# Allegro board FEMA_CBRS_1W_V0P4.brd (continued)
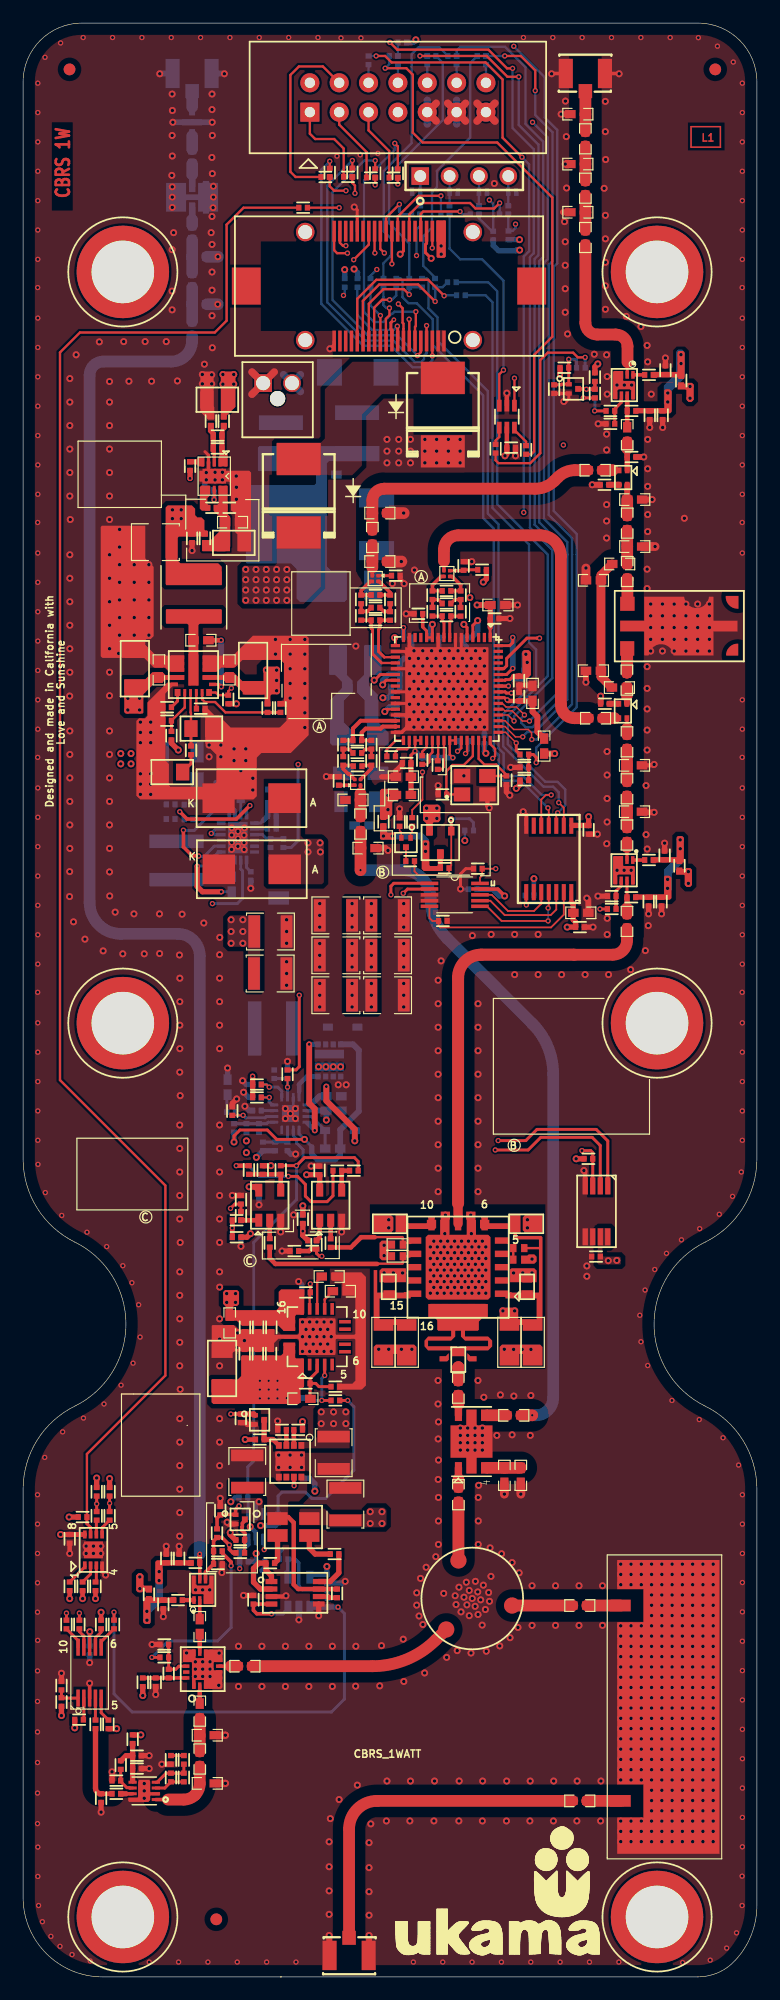
[diagram p0: board, top side]
## Routing (per net, layer and track width the routed paths; a pad name or vN(x,y) marks a point on that pad's centre or on a via; arc(x,y) is an arc through that point) (continued)
  TOP w0.457: v1(46.47,138.56) 46.47,138.56 R301.1
  SIG1 w0.203: v1(46.47,138.56) 45.67,139.36 45.67,151.78 44.88,152.58 40.85,152.58 40.35,153.07 v1(40.35,153.7)
  BOTTOM w0.203: v1(40.35,153.7) 40.68,153.37 R268.2 40.57,151 39.45,152.12 R364.1
TX_RFPAL_ENB: length 57
  TOP w0.152: R121.1 33.67,100.94 34.56,101.83 v1(34.56,104.22)
  TOP w0.254: J1.9 32.41,142.63 32.38,142.66 v1(32.38,142.78)
  SIG1 w0.203: v1(34.56,104.22) 31.55,104.22 28.07,107.7 28.07,138.47 v1(32.38,142.78)
  BOTTOM w0.203: R267.2 28.93,146.14 28.93,143.75 29.79,142.88 29.79,142.87 30.2,142.46 32.06,142.46 v1(32.38,142.78)
VDS_PA1: length 1
  TOP w0.254: 42.26,59 42.17,59.09 U70.1 41.32,59.09
  vias: v2(30.04,40.23) v2(30.04,39.22) v2(31.06,40.23) v2(31.06,39.22) v2(41.52,57.61) v2(42.54,57.61)
VGS_CARR_FIXED: length 2.3
  TOP w0.394: R275.1 v1(18.1,64.77) R271.2
  BOTTOM w0.394: R271.2 v1(18.1,64.77)
VGS_PEAK_FIXED: length 2.3
  TOP w0.457: R273.2 v1(24.2,64.5) 24.2,64.14 R276.1
  BOTTOM w0.127: v1(24.2,64.5) 24.21,64.5 R273.2
WP_CAL: length 139.7
  TOP w0.152: 5.84,38.23 U79.7
  TOP w0.203: R156.1 19.08,153.04 17.61,151.57 17.61,143.26 16.59,142.24 4.92,142.24 3.19,140.51 3.19,77.57 12.31,68.45 12.31,52.02 5.52,45.23 R67.2
  TOP w0.254: R67.2 5.52,39.2 5.84,38.88 U79.7
N23833: length 1.6
  TOP w0.26: C134.1 29.63,106.2 L8.1 R110.2
N23837: length 1.6
  TOP w0.26: R112.2 L12.1 28.2,106.2 28.54,105.87 C134.2
N23925: length 2.6
  TOP w0.26: C254.2 28.49,104.81 R112.1
  TOP w0.305: T2.4 28.21,104.06 28.12,104.06 27.7,104.48 R112.1
N23932: length 2.5
  TOP w0.26: C254.1 29.4,104.81 R110.1
  TOP w0.305: T2.3 29.52,103.9 30.14,104.52 R110.1
N24699: length 2.6
  TOP w0.305: C253.1 29.26,119.53 R114.1 29.25,119.91 30.04,120.7 T3.3
N24715: length 1.7
  TOP w0.305: R114.2 L23.1 29.79,118.1 C142.1
N24817: length 2.6
  TOP w0.305: T3.4 30.81,120.7 31.77,119.74 R115.1 31.76,119.53 C253.2
N24829: length 1.7
  TOP w0.305: R115.2 31.77,118.1 L24.1 31.21,118.1 C142.2
N25714: length 1.7
  TOP w0.26: C136.1 35.93,119.14 L25.1 R111.2
N25726: length 2.7
  TOP w0.26: C137.1 L25.2
  TOP w0.305: T1.3 36.16,121.14 35.42,120.4 L25.2
N25808: length 1.7
  TOP w0.26: 37.86,118.46 L26.1 37.36,119.14 C136.2
  TOP w0.305: 37.86,118.46 R113.2
N25852: length 2.6
  TOP w0.26: C137.2 L26.2
  TOP w0.305: T1.4 37.12,121.14 37.86,120.4 L26.2
N26945: length 1.4
  TOP w0.305: T2.1 C138.1
N27022: length 1.2
  TOP w0.254: C143.1 T3.1
N27102: length 2.5
  TOP w0.26: T1.1 38.08,121.64 C139.1 38.16,121.72 FB8.1
N28007: length 11
  TOP w0.203: U19.36 U19.35 v1(33.92,106.03) ; U19.42 U19.41 36.92,105.73 v1(37.19,105.46)
  TOP w0.254: C149.1 33.56,105.67 v1(33.92,106.03)
  TOP w0.457: 33.56,103.81 C148.1 ; 33.56,103.81 C149.1 ; 33.56,103.81 33.56,102.24 FB11.2
  BOTTOM w0.508: v1(33.92,106.03) 34.49,105.46 v1(37.19,105.46)
N30087: length 23.9
  TOP w0.203: U19.48 40.42,106.65 40.84,106.22 40.84,105.61 v1(40.64,105.4)
  TOP w0.254: U19.59 41.84,112.65 v1(42.37,113.18) ; U19.55 41.65,110.65 41.84,110.46 v1(41.9,110.46) ; v1(42.37,115.85) 42.37,115.41 42.12,115.15 U19.64
  TOP w0.381: v1(41.9,110.46) 41.99,110.37 C158.1
  TOP w0.508: C158.1 C157.1 44.09,109.44 44.5,109.02 44.5,107.7 FB12.2
  SIG1 w0.305: v1(40.64,105.4) 40.89,105.66 40.89,109.46 v1(41.9,110.46) 42.62,110.46 42.98,110.82 42.98,112.57 v1(42.37,113.18)
  BOTTOM w0.508: v1(42.37,113.18) v1(42.37,115.85)
N33948: length 2.3
  TOP w0.203: C129.1 32.22,105.99 32.43,106.19 33.22,106.19 33.42,106.39 U19.34
N33966: length 2.4
  TOP w0.203: U19.33 32.26,106.95 31.47,106.17 C129.2
N34028: length 2.7
  TOP w0.203: C130.1 34.95,104.88 35.16,105.09 35.16,105.66 35.42,105.93 U19.38
N34061: length 1.5
  TOP w0.203: C130.2 34.54,105.98 34.92,106.37 U19.37
N34239: length 2.9
  TOP w0.203: U19.40 36.42,104.66 36.2,104.45 C132.1
N34276: length 1.8
  TOP w0.203: U19.39 35.92,105.77 35.88,105.73 C132.2
N34612: length 2.1
  TOP w0.203: v1(37.6,106.02) 37.65,106.02 37.92,106.29 U19.43
  BOTTOM w0.203: v1(37.6,106.02) 37.79,106.22 C135.2
N34630: length 2.5
  TOP w0.203: v1(38.28,105.82) 38.38,105.82 38.42,105.85 U19.44
  BOTTOM w0.203: v1(38.28,105.82) 38.54,106.08 C135.1
N36138: length 1.7
  TOP w0.203: 32.92,115.8 U19.16 32.92,115.9
  TOP w0.254: v1(32.92,116.71) 32.92,115.9
  BOTTOM w0.457: v1(32.92,116.71) 32.92,116.71 R109.1
N112138: length 2.6
  BOTTOM w0.254: R12.2 R10.2 21.08,98.44 20.72,98.8 U13.13
N112335: length 17.9
  TOP w0.305: 13.9,99.19 v1(13.87,99.19) 13.87,97.74 14.63,96.98 15.16,96.98 v1(15.19,96.95)
  SIG1 w0.254: v1(16.29,98.91) 16.01,99.19 v1(13.87,99.19)
  BOTTOM w0.254: 16.47,100.83 14.8,99.16 13.9,99.16 v1(13.87,99.19) ; U13.5 16.68,99.3 v1(16.29,98.91) 16.48,98.91 16.59,98.8 U13.4 ; 18.01,101.24 18.01,101.58 C18.1 ; 18.01,101.24 17.83,101.07 U13.7 ; 18.01,101.24 18.05,101.2 18.08,101.2 18.33,100.95 U13.8 ; v1(15.19,96.95) 15.24,96.95 15.29,96.91 15.65,96.91 16.54,97.8 U13.2
  BOTTOM w0.305: 16.47,100.83 16.47,101.63 16.83,101.99 C18.1
N116565: length 1.2
  BOTTOM w0.254: R16.1 19.33,95.97 U13.17
N116705: length 1.5
  BOTTOM w0.254: C19.1 18.83,101.99 U13.9
N116894: length 1.2
  BOTTOM w0.457: R17.2 C28.1
N116898: length 2.5
  BOTTOM w0.254: 20.78,100.03 20.55,99.8 U13.11
  BOTTOM w0.457: 20.78,100.03 C20.1 21.16,100.86 21.17,100.88 R17.1
N120203: length 7.5
  TOP w0.457: v1(15.07,96.06) 15.07,94.32 15.52,93.86 v1(17.15,93.86)
  BOTTOM w0.254: C13.1 v1(17.15,93.86) ; U13.1 16.91,97.3 15.71,96.1 15.1,96.1 v1(15.07,96.06)
N123407: length 1.1
  BOTTOM w0.254: U13.12 21.14,99.3 R15.1
N123470: length 7.8
  TOP w0.305: v1(19.63,101.32) 18.46,100.15 14.19,100.15 v1(13.55,100.79)
  BOTTOM w0.254: U13.10 19.33,101.03 v1(19.63,101.32)
N170609: length 3.5
  TOP w0.152: R18.2 v1(22.88,76.96)
  BOTTOM w0.254: R19.1 R18.2 v1(22.88,76.96) U1.10
N170847: length 3.7
  BOTTOM w0.254: C43.1 D2.K 26.14,73.22 24.93,74.43 U1.15
N170891: length 9.4
  TOP w0.508: v1(24.76,80.66) 24.76,75.57 25.24,75.08 v1(25.24,73.22)
  BOTTOM w0.254: U1.16 24.63,73.83
  BOTTOM w0.381: v1(25.24,73.22) 24.63,73.83 24.63,73.83
  BOTTOM w0.457: v1(24.76,80.66) Q1.1
N170899: length 24.9
  TOP w0.254: v2(24.35,72.44) 21.95,72.44 21.14,73.25 18.76,73.25 18.25,72.75 v2(18.25,72.21)
  BOTTOM w0.254: 24.98,71.81 v2(24.35,72.44) 23.88,72.91 U1.1
  BOTTOM w0.457: C43.2 27.44,71.11 27.02,70.69 25.47,70.69 24.98,71.17 24.98,71.81 ; R30.2 v2(18.25,72.21)
  BOTTOM w0.508: Q1.4 28.55,80.66 29.05,80.16 29.05,74.88 27.44,73.27 C43.2
N171033: length 2.3
  TOP w0.152: R24.2 v1(21.3,76.07)
  BOTTOM w0.254: R24.2 v1(21.3,76.07) 21.3,75.68 21.56,75.43 U1.8
N171199: length 3.1
  BOTTOM w0.254: 23.88,76.57 U1.12
  BOTTOM w0.394: Q1.8 24.56,77.88 23.88,77.2 23.88,76.57
N171345: length 1.1
  BOTTOM w0.254: C49.1 20.61,74.93 U1.7
N171439: length 4.5
  TOP w0.152: C50.1 v1(19.04,74.52)
  BOTTOM w0.254: R28.1 18.65,74.52 v1(19.04,74.52) 19.25,74.31 20.94,74.31 21.05,74.43 U1.6
N171447: length 3.5
  BOTTOM w0.254: R30.1 R29.2 C51.2 21.08,73.81 21.2,73.93 U1.5
N171517: length 3.2
  BOTTOM w0.254: U1.3 22.88,72.21 R32.1 R31.1 C53.1
N171733: length 1.5
  BOTTOM w0.254: C52.1 17.62,76.24 R28.2
N195056: length 1.3
  TOP w0.394: U71.2 R123.2
N195132: length 1.4
  TOP w0.305: v1(23.45,42.49) 23.43,42.51 U71.7
  BOTTOM w0.305: R124.2 v1(23.45,42.49)
N195275: length 1.3
  TOP w0.381: U71.3 22.78,46.51
  TOP w0.394: 22.78,46.51 R128.1
N195418: length 10.9
  TOP w0.381: 22.02,39.77 22.94,39.77 23.42,39.29 23.42,33.93 23.8,33.55 U72.7
  TOP w0.394: U72.7 27.17,33.55 C166.2
N195715: length 3.2
  TOP w0.381: U71.4 21.62,46.48
  TOP w0.457: 21.62,46.48 R129.2 20.86,48.18 Q6.3
N195937: length 6
  TOP w0.457: U72.1 21.49,34.69 21.01,35.17 R126.2 20.4,35.79 19.94,35.33 19.94,34.14 20.53,33.55 U72.2
N195969: length 3.7
  TOP w0.457: R127.2 27.32,34.94 26.58,34.2 U72.8
N196453: length 1.6
  TOP w0.394: U72.6 26.4,32.9 26.5,32.8 C166.1
N196880: length 5.5
  TOP w0.305: U72.4 R132.1 19.93,31.71 20.23,31.41 v1(21.49,31.41)
  BOTTOM w0.305: U73.3 22.91,31.84 22.48,31.41 v1(21.49,31.41)
N202980: length 7.8
  BOTTOM w0.305: U73.4 22.91,36.11 R133.1 23.55,36.12 23.85,35.81 23.85,33.81 24.16,33.5 25.75,33.5 25.77,33.48 26.07,33.48 26.35,33.2 R130.1
N205704: length 2.5
  TOP w0.152: U74.10 39.54,95.08 39.72,95.27 C169.1 v1(40.9,95.86)
N273978: length 6.3
  TOP w0.203: U27.3 C144.2 41.82,103.97 40.93,104.87 39.92,104.87 39.42,105.37 U19.46
N274053: length 7.5
  TOP w0.203: U19.45 38.92,105.6 38.14,104.83 37.16,104.83 36.63,104.29 36.63,102.31 C140.2 U27.1
N282364: length 1.2
  TOP w0.152: 33.13,97.73 Q5.3 33.13,96.52 R120.1
N282416: length 1.1
  TOP w0.127: Q5.2 32.73,99 32.58,99.15 R122.2
N283217: length 1.1
  TOP w0.127: Q5.1 33.53,98.91 33.67,99.05 R121.2
N283375: length 11.6
  TOP w0.152: R120.2 33.87,95.64 34.2,95.3 36.66,95.3 36.86,95.5 C151.1 37.05,96.15 Q4.1
  TOP w0.254: Q4.1 v1(37.05,100.18)
  BOTTOM w0.254: R119.2 38.97,99.17 38.97,99.85 38.64,100.18 v1(37.05,100.18)
N5392944: length 2.7
  TOP w0.305: 29.2,102.36 T2.2
  TOP w1.016: R105.1 R106.2 29.2,102.36
N5434247: length 3.9
  TOP w0.254: 30.22,121.92 T3.2 ; R117.2 30.22,121.72
  TOP w0.305: 30.22,121.72 T3.2
  TOP w1.016: R116.1 R117.2 30.22,121.92
N5466645: length 1.8
  BOTTOM w0.457: 14.63,161.75 D5.3 14.63,161.3
  BOTTOM w1.016: CON4.1 14.63,161.75
N5466653: length 1.4
  BOTTOM w0.305: 14.63,159.55 D5.1 14.63,159.23
  BOTTOM w1.016: 14.63,159.23 C124.1
N5466657: length 2.8
  BOTTOM w1.016: R293.1 R291.2 C125.2
N5466939: length 3.1
  TOP w0.254: R100.2 R103.1
  TOP w0.305: Q3.3 19.19,39.45 18.97,39.23 18.97,38.93 18.95,38.91 18.95,38.62 19.19,38.38 19.19,37.82 R100.2
N5467666: length 1.6
  TOP w0.305: U22.2 15.29,24.74
  TOP w0.394: 15.29,24.74 C103.2
N5467824: length 1.6
  TOP w0.305: U22.7 17.97,26.87
  TOP w1.016: 17.97,26.87 C109.1
N5467874: length 1.6
  TOP w0.305: U22.11 15.29,28.49
  TOP w0.394: 15.29,28.49 C198.2
N5527142: length 6.1
  TOP w0.305: U88.1 12.54,15.34
  TOP w1.016: 12.54,15.34 13.92,15.34 arc(14.43,15.44) 14.87,15.73 arc(15.18,16.19) R86.2 R85.1
N5527150: length 2.8
  TOP w1.016: R85.2 R88.2 C103.1
N5527732: length 5
  TOP w1.016: C77.2 U3.1
N5527736: length 5.2
  TOP w1.016: C219.1 U3.2
N5534734: length 2.9
  TOP w0.305: 48.02,137.36 Q2.3 48.71,137.36 v1(48.75,137.33) R40.1 R38.2
  BOTTOM w0.394: R40.1 v1(48.75,137.33)
N5534850: length 4.8
  TOP w0.254: 47.21,137.77 R301.2 v1(47.21,139.92) ; 47.21,137.77 46.62,137.77 46.56,137.71 R41.1 ; 47.21,137.77 Q2.1
  BOTTOM w0.254: R300.2 47.89,139.82 47.79,139.92 v1(47.21,139.92)
N5535230: length 1.4
  TOP w0.508: U32.1 52.25,110.85
  TOP w1.016: 52.25,110.85 R46.1
N5535720: length 0.8
  TOP w0.254: U32.3 51.47,110.12
  TOP w0.508: 51.47,110.12 R53.1
N5569429: length 1.9
  TOP w0.254: R63.2 5.26,22.29 U78.2
N5569457: length 2.1
  TOP w0.254: U78.1 3.35,24.11 R64.2 R72.1
N5569477: length 1.8
  TOP w0.254: R66.2 6.75,29.82 6.26,29.33 U78.7
N5569577: length 1.9
  TOP w0.254: U78.4 6.26,22.23 R74.2
N5569625: length 2.2
  TOP w0.254: U78.5 6.76,22.84 R75.2
N5569703: length 2
  TOP w0.254: U78.6 6.76,29 R78.2
N5569707: length 1.8
  TOP w0.254: U78.9 5.26,29.48 4.87,29.87 R79.1
N5569753: length 2
  TOP w0.254: R80.1 4.76,29.1 U78.10
N5570637: length 1.5
  TOP w0.152: 6.34,35.63 U79.3
  TOP w0.254: U79.3 6.34,34.23 R73.2
N5570641: length 1.8
  TOP w0.152: 5.84,35.63 U79.2
  TOP w0.254: R68.2 5.84,34.85 U79.2
N5570645: length 2
  TOP w0.152: 5.34,35.63 U79.1
  TOP w0.254: R69.2 5.34,35.46 U79.1
N5570737: length 1.3
  TOP w0.152: 6.34,38.23 U79.6
  TOP w0.254: U79.6 6.34,39.47 R76.1
N5570789: length 1.5
  TOP w0.152: 6.84,38.23 U79.5
  TOP w0.254: R77.1 6.84,38.86 U79.5
N5592793: length 1
  TOP w0.381: U21.1 R159.2
N5592939: length 1.6
  TOP w0.305: U21.2 15.29,31.34
  TOP w0.394: 15.29,31.34 C198.1
N5593222: length 122.7
  TOP w0.305: U21.7 L19.2
  TOP w0.394: L19.2 v3(15.29,36.58)
  BOTTOM w1.016: v3(15.29,36.58) 15.29,88.34 arc(14.73,89.67) 13.4,90.22 8.45,90.22 arc(6.55,91.01) 5.76,92.91 5.76,138.56 arc(6.1,139.38) 6.93,139.73 12.82,139.73 arc(14.09,140.25) 14.62,141.53 14.63,141.53 C126.2
N5594230: length 1
  TOP w0.305: U28.1 R162.2
N5594372: length 14
  TOP w0.254: 52.3,139.67 52.28,139.65 U28.2
  TOP w1.016: 52.3,139.67 52.3,141.05 arc(52,141.76) 51.29,142.06 49.67,142.06 arc(48.96,142.36) 48.66,143.08 C59.2
N5594380: length 2.8
  TOP w0.305: U28.7 52.28,136.24
  TOP w0.394: C203.1 L20.2 52.28,136.24
N5594424: length 2.7
  TOP w0.254: U28.6 51.78,136.49 51.75,136.46 51.75,136.18 51.2,135.62 R163.2 R164.1
N5596172: length 1
  TOP w0.305: U60.1 R165.2
N5596314: length 2.9
  TOP w0.254: L21.2 U60.7
  TOP w0.457: 52.26,92.43 L21.2
  TOP w1.016: C207.2 52.26,92.43
N5596318: length 1.5
  TOP w0.254: U60.2 52.26,97.74
  TOP w1.016: 52.26,97.74 C66.1
N5596366: length 2.7
  TOP w0.254: 51.31,93.93 51.76,94.38 U60.6
  TOP w0.305: 51.31,93.93 R167.1 R166.2
N5598004: length 1.2
  TOP w1.016: C78.1 C212.2
N5598148: length 1.2
  TOP w0.254: 32.86,58.9 33.05,59.09 U70.15 33.96,59.09
N5598829: length 2.9
  TOP w1.016: FL1.IN C219.2
N5598833: length 2.9
  TOP w1.016: FL1.OUT C220.1
N5598837: length 30.1
  TOP w1.016: C220.2 30.63,15.22 arc(28.92,14.51) 28.21,12.8 CON3.1
N5619353: length 6
  TOP w0.254: U47.1 16.95,111.8 v1(17.15,111.6)
  TOP w0.394: C226.1 v1(17.14,115.62)
  BOTTOM w0.508: v1(17.15,111.6) 17.14,111.62 v1(17.14,115.62)
N5619493: length 7.8
  TOP w0.203: U47.17 15.49,110.51 15.73,110.27 16.61,110.27 17.51,109.38 21.08,109.38
  TOP w0.254: 21.08,109.38 R208.2 R211.1
N5619565: length 3.8
  TOP w0.203: U47.14 13.99,109.8 13.98,109.8 R213.1
  TOP w0.254: R213.1 R209.2
N5619597: length 1.4
  TOP w0.203: U47.16 14.99,109.71 C228.1
N5619609: length 1.5
  TOP w0.254: U47.13 13.36,110.36 R212.1
N5619663: length 4.6
  TOP w0.203: U47.15 14.49,109.37 14.53,109.33 C229.1
  TOP w0.254: C229.1 R214.1
N5619881: length 1.8
  TOP w0.254: C230.1 14.53,104.94 R214.2
N5628772: length 5.2
  TOP w0.254: R218.1 25.6,51.06 25.33,51.33 R216.2 ; R216.2 24.84,50.03 C235.2 ; R216.2 24.84,51.75 25.45,52.36 U48.3
N5628870: length 1.8
  TOP w0.203: U48.12 26.1,58.6 C241.1
N5628894: length 3
  TOP w0.203: C240.1 25.45,60.19 U48.13
N5630913: length 1.7
  TOP w0.254: v1(16.53,127.78) 16.54,127.79 16.54,128.56
  TOP w0.305: U10.8 16.54,128.56
  BOTTOM w0.457: C248.1 16.52,128.55 16.52,127.81 16.53,127.8 v1(16.53,127.78)
N5652921: length 1.5
  BOTTOM w0.559: FL3.1 14.63,151.99
  BOTTOM w1.016: 14.63,151.99 C125.1
N5653873: length 7.8
  TOP w0.203: R261.2 27.74,158.15 26.92,158.97 25.28,158.97 24.81,159.44 J3.1
N5653961: length 6.6
  TOP w0.203: J3.3 27.35,160.21 29.72,157.85 R262.2
N5653965: length 16.3
  TOP w0.203: R242.2 23.58,155.69 23.13,156.14 23.13,164.52 23.87,165.25 25.94,165.25 J3.4
N5654033: length 6.4
  TOP w0.203: J3.5 29.89,159.72 31.68,157.94 R263.2
N5654037: length 1.6
  BOTTOM w0.203: R255.1 J3.6
N5654077: length 1.6
  BOTTOM w0.203: R257.1 J3.8
N5654121: length 1.6
  BOTTOM w0.203: R258.1 J3.10
N5654165: length 1.6
  BOTTOM w0.203: R259.1 J3.12
N5654209: length 1.6
  BOTTOM w0.203: R260.1 J3.14
N5656059: length 1.5
  TOP w0.394: U85.1 R275.2
N5656293: length 4.1
  TOP w0.394: U85.4 R277.2 R98.2 R296.2
N5656421: length 1.6
  TOP w0.381: 21.34,63.99 FB14.1
  TOP w0.394: 21.34,63.99 21.34,65.45 U85.2
N5656519: length 1.9
  TOP w0.394: R276.2 25.67,63.98 U86.1
N5656779: length 2.4
  TOP w0.394: U86.4 R298.2 R278.2
N5656827: length 1.6
  TOP w0.381: 26.62,63.97 FB15.1
  TOP w0.394: U86.2 26.62,63.97
N5657799: length 2
  TOP w0.152: U84.8 43.55,93.82 v1(43.55,92.72)
  BOTTOM w0.127: R264.2 43.46,92.83 43.55,92.74 v1(43.55,92.72)
N5659250: length 14.4
  TOP w0.203: v1(35.41,149.55) 35.41,149.56 J1.23 ; R156.2 v1(27.35,153.04)
  SIG1 w0.203: v1(27.35,153.04) 27.35,151.92 28.36,150.91 34.13,150.91 35.41,149.63 v1(35.41,149.55)
N5659518: length 5.2
  TOP w0.203: v1(31.7,144.36) 31.7,144.25 31.7,144.25 31.7,143.73 31.39,143.43 31.39,141.52 J1.11
  BOTTOM w0.203: R190.2 31.18,145.29 31.18,145.29 31.18,144.85 31.18,144.85 31.18,144.61 31.43,144.36 v1(31.7,144.36)
N5659570: length 5
  TOP w0.203: J1.12 30.92,141.51 v1(30.92,143.71)
  BOTTOM w0.203: R189.2 30.06,144.56 v1(30.92,143.71)
N5659622: length 6
  TOP w0.203: J1.13 30.38,141.54 30.38,144.39 31.06,145.07 v1(31.71,145.07)
  BOTTOM w0.203: v1(31.71,145.07) 31.92,145.07 32.3,145.45 R191.2
N5659674: length 9.2
  TOP w0.203: v1(33.41,145.52) 32.95,145.98 31.17,145.98 29.91,144.73 J1.14
  BOTTOM w0.203: R188.2 R186.2 v1(33.41,145.52)
N5659690: length 13.4
  TOP w0.203: v1(35.66,144.92) 34.19,146.39 30.82,146.39 29.4,144.98 29.4,141.52 J1.15
  BOTTOM w0.203: v1(35.66,144.92) 35.66,146.15 R185.2 ; R187.2 36.3,146.16 35.65,146.16
  BOTTOM w0.254: 35.65,146.16 R185.2
N5659746: length 13.5
  TOP w0.203: v1(36.44,145.42) 35.06,146.8 30.56,146.8 28.91,145.15 J1.16
  BOTTOM w0.203: v1(36.44,145.42) 36.54,145.42 36.59,145.47 R270.2
N5668177: length 7.3
  TOP w0.203: J1.29 32.41,152.26 34.21,154.06 v1(36.16,154.06)
  BOTTOM w0.203: v1(36.16,154.06) R302.2
N5693147: length 1.9
  BOTTOM w0.559: FL3.2 14.63,155.91
  BOTTOM w1.016: 14.63,155.91 C124.2
N5793731: length 1.6
  TOP w0.203: U87.4 41.2,133.2 40.89,132.88 R304.2
N5793842: length 2
  TOP w0.203: R305.2 43.53,132.79 42.52,133.8 U87.6
N5810053: length 2.3
  TOP w0.254: U88.6 9.23,16.34 9.2,16.36 8.98,16.36 8.44,16.9 R308.2 8.44,17.94 R307.1
N5810061: length 2.6
  TOP w0.254: C64.2 C65.2 12.26,16.34 U88.3
N5810167: length 3.5
  TOP w0.254: U88.4 11.6,16.84 12.38,17.62 C65.1 C64.1 R309.1
N5810247: length 1.1
  TOP w0.254: C258.2 R309.2
N5846148: length 2.6
  BOTTOM w0.254: R360.1 D15.1 J4.1
N5846180: length 2.6
  BOTTOM w0.203: J4.2 D14.1 R361.1
N5846222: length 2.6
  BOTTOM w0.203: R362.1 D13.1 J4.3
N5846262: length 2.6
  BOTTOM w0.203: R363.1 D12.1 J4.4
N5846337: length 6
  TOP w0.203: J1.25 34.41,152.5 34.62,152.7 v1(37.81,152.7)
  BOTTOM w0.203: v1(37.81,152.7) 38.05,152.46 R364.2
N5846425: length 11
  TOP w0.203: v1(41.24,153.44) 40.76,152.96 39.15,152.96 38.68,153.44 34.41,153.44 33.41,152.44 J1.27
  BOTTOM w0.203: R365.2 v1(41.24,153.44)
N5846513: length 4.6
  TOP w0.203: v1(32.56,153.33) 31.41,152.18 J1.31
  BOTTOM w0.254: v1(32.56,153.33) 32.56,152.71 32.81,152.46 R366.2
N5947818: length 1.9
  TOP w0.394: U4.3 40.15,48.58
  TOP w1.016: 40.15,48.58 C260.1
N5947970: length 3.1
  TOP w0.508: U4.4 40.19,44.03
  TOP w1.016: R59.1 R58.1 40.19,44.03
N6013690: length 2.5
  TOP w0.457: R125.4 22.02,36.04 R126.1
N6013708: length 3.1
  TOP w0.457: R127.1 25.27,36.58 24.77,37.08 R125.3

## Copper pours and planes (outline as drawn; the poured copper is in the pictures)
GND on TOP (solid shape): 33.13,60.09 30.84,60.09 30.84,61.09 31.04,61.29 33.13,61.29
GND on TOP (solid shape): 32.04,65.69 32.04,64.59 31.84,64.39 30.34,64.39 30.34,65.89 31.84,65.89
GND on TOP (solid shape): 44.44,61.09 44.44,60.09 42.14,60.09 42.14,61.19 42.24,61.29 44.24,61.29
GND on TOP (solid shape): 44.94,64.39 43.44,64.39 43.24,64.59 43.24,65.69 43.44,65.89 44.94,65.89
GND on TOP (solid shape): 44.44,62.29 44.44,61.89 44.24,61.69 43.09,61.69 43.09,62.39 43.64,62.39 43.74,62.49 44.24,62.49
GND on TOP (solid shape): 16.49,138.81 16.49,135.81 16.55,135.75 16.55,134.77 16.5,134.72 15.99,134.72 15.33,135.38 15.33,138.76 15.43,138.86 16.44,138.86
GND on TOP (solid shape): 32.19,62.99 31.64,62.99 31.64,62.69 32.19,62.69 32.19,61.99 31.04,61.99 30.84,62.19 30.84,63.49 31.04,63.69 32.19,63.69
GND on TOP (solid shape): 34.04,54.49 34.04,52.89 32.34,52.89 32.34,53.89 32.04,53.89 32.04,52.89 30.34,52.89 30.34,54.49 30.54,54.69 33.84,54.69
GND on TOP (solid shape): 44.94,54.49 44.94,52.89 43.24,52.89 43.24,53.89 42.94,53.89 42.94,52.89 41.24,52.89 41.24,54.49 41.44,54.69 44.74,54.69
GND on TOP (solid shape): 60.27,10.65 51.42,10.65 51.41,10.66 51.41,13.78 53.69,13.78 53.69,16.64 51.41,16.64 51.41,30.68 53.69,30.68 53.69,33.54 51.41,33.54 51.41,36.06 60.27,36.06
GND on TOP (solid shape): 19.73,130.12 19.73,123.34 19.7,123.32 18.63,123.32 18.56,123.39 18.56,124.76 18.33,124.99 18.33,126.54 18,126.87 18,129.21 17.87,129.34 15.28,129.34 15.26,129.36 15.26,130.25 15.28,130.28 19.57,130.28
GND on TOP (solid shape): 14.91,34.68 14.91,34 15.09,33.82 15.96,33.82 16.13,34 16.13,34.66 16.16,34.68 16.46,34.68 16.49,34.66 16.49,32.32 16.41,32.25 15.68,32.25 15.62,32.3 15.62,33.06 15.57,33.11 14.69,33.11 14.58,33.21 14.58,34.66 14.63,34.71 14.89,34.71
GND on TOP (solid shape): 51.92,138.86 51.92,138.1 51.97,138.05 52.86,138.05 52.96,137.95 52.96,136.5 52.91,136.45 52.66,136.45 52.63,136.47 52.63,137.21 52.51,137.34 51.54,137.34 51.41,137.21 51.41,136.5 51.39,136.47 51.08,136.47 51.06,136.5 51.06,138.84 51.13,138.91 51.87,138.91
GND on TOP (solid shape): 51.92,96.93 51.92,96.14 51.97,96.09 52.86,96.09 52.94,96.01 52.94,94.52 52.91,94.49 52.66,94.49 52.61,94.54 52.61,95.33 52.56,95.38 51.51,95.38 51.41,95.27 51.41,94.54 51.39,94.52 51.08,94.52 51.06,94.54 51.06,96.9 51.11,96.95 51.9,96.95
GND on TOP (solid shape): 10.57,125.5 10.57,122.68 11.29,121.96 11.29,115.98 11.04,115.72 10.68,115.72 10.57,115.62 10.57,115.22 11.5,114.3 13.94,114.3 13.94,112.9 13.94,112.9 12.66,112.9 12.31,113.25 11.32,113.25 10.47,114.1 6.85,114.1 6.72,114.22 6.72,125.42 6.82,125.53 10.55,125.53
GND on TOP (solid shape): 10.99,16.94 10.99,16.03 11.04,15.98 11.83,15.98 11.85,15.95 11.85,15.72 11.83,15.7 11.04,15.7 10.99,15.65 10.99,15.29 10.84,15.14 9.19,15.14 9.11,15.21 9.11,15.47 9.14,15.49 9.9,15.49 9.97,15.57 9.97,16.97 10.05,17.04 10.89,17.04
GND on TOP (solid shape): 36.94,65.54 36.89,65.49 36.89,64.19 38.39,64.19 38.39,65.49 38.34,65.54 38.34,66.19 39.14,66.19 39.14,65.49 39.19,65.49 39.19,64.19 40.24,64.19 40.44,63.99 40.44,58.79 40.24,58.59 35.04,58.59 34.84,58.79 34.84,63.99 35.04,64.19 36.09,64.19 36.09,65.49 36.14,65.49 36.14,66.19 36.94,66.19
GND on TOP (solid shape): 14.92,28.3 14.92,27.58 14.96,27.54 15.59,27.54 15.65,27.6 15.65,28.31 15.66,28.32 17.22,28.32 17.27,28.27 17.27,27.26 17.24,27.23 16.52,27.23 16.46,27.18 16.46,26.57 16.51,26.52 17.21,26.52 17.24,26.48 17.24,25.02 17.14,24.91 15.7,24.91 15.65,24.97 15.65,25.66 15.62,25.69 14.96,25.69 14.92,25.65 14.92,24.96 14.89,24.92 14.63,24.92 14.61,24.93 14.61,27.19 14.57,27.23 13.86,27.23 13.84,27.26 13.84,28.27 13.89,28.32 14.9,28.32
GND on TOP (solid shape): 57.22,119.25 57.31,119 57.46,118.78 57.65,118.6 57.89,118.47 58.14,118.41 58.41,118.41 58.67,118.47 58.9,118.6 59.1,118.78 59.24,119 59.33,119.25 59.35,119.38 59.74,119.38 59.74,117.31 61.83,117.31 61.83,116.38 59.74,116.38 59.74,114.3 56.29,114.3 56.27,114.43 56.18,114.68 56.04,114.9 55.84,115.08 55.61,115.21 55.35,115.27 55.09,115.27 54.83,115.21 54.59,115.08 54.4,114.9 54.25,114.68 54.16,114.43 54.14,114.3 53.75,114.3 53.75,116.38 51.67,116.38 51.67,117.31 53.75,117.31 53.75,119.38 57.2,119.38
GND on TOP (solid shape): 29.66,60.56 29.66,51.16 29.31,50.8 27.19,50.8 27.17,50.82 27.17,51.28 27.2,51.31 28.49,51.31 28.75,51.56 28.75,55.12 28.67,55.2 27.12,55.2 27.02,55.09 27.02,53.93 26.89,53.8 23.95,53.8 23.87,53.88 23.87,55.09 23.77,55.2 22.09,55.2 21.72,54.82 21.72,54.11 21.71,54.1 18.25,54.1 18.12,53.96 18.12,53.56 18.11,53.55 16.32,53.55 16.32,53.56 16.32,56.31 16.38,56.38 18.23,56.38 18.61,56 21.74,56 21.74,56 21.74,55.59 21.78,55.55 23.8,55.55 23.87,55.63 23.87,56.85 23.97,56.95 26.95,56.95 27.02,56.87 27.02,55.63 27.1,55.55 28.67,55.55 28.75,55.63 28.75,58.83 28.65,58.93 27.65,58.93 27.63,58.95 27.63,60.1 27.5,60.23 26.77,60.23 26.66,60.33 26.66,60.88 26.72,60.94 29.28,60.94
GND on TOP (solid shape): 24.71,115.81 24.71,111.43 24.71,111.43 24.71,107.41 23.17,105.87 20.63,105.87 20.22,105.46 20.22,102.13 19.94,101.85 10.13,101.85 9.8,102.18 9.8,108.64 10.02,108.86 10.56,108.86 10.76,109.07 10.76,110.24 12.47,111.95 13.36,111.95 13.39,111.92 13.39,111.66 13.38,111.65 12.94,111.65 12.31,111.03 12.31,105.22 12.6,104.93 12.6,103.1 12.75,102.95 16.34,102.95 16.72,103.33 16.72,105.72 15.76,106.69 15.76,108.94 15.53,109.17 15.53,109.7 15.55,109.73 15.96,109.73 16.58,109.1 16.92,109.1 17.95,108.08 22.2,108.08 22.8,108.67 22.8,109.75 22.66,109.9 22.03,109.9 22.02,109.91 22.02,110.36 22.03,110.37 22.53,110.37 22.57,110.41 22.57,113.64 22.29,113.92 18.98,113.92 18.32,113.26 17.15,113.26 16.8,112.9 15.54,112.9 15.53,112.91 15.53,114.29 15.54,114.3 18.17,114.3 19.87,116 24.52,116
GND on BOTTOM (solid shape): 14.11,154.19 15.15,154.19 15.15,155.19 16.88,155.19 16.88,152.69 15.15,152.69 15.15,153.69 14.11,153.69 14.11,152.69 12.38,152.69 12.38,155.19 14.11,155.19
GND on TOP: 18,45.64 20.87,45.64 21.1,45.42 24.32,45.42 24.38,45.36 24.38,45.09 24.91,44.55 28.27,44.55 28.37,44.45 28.37,43.48 28.27,43.38 25.32,43.38 24.97,43.74 21.84,43.74 21.81,43.76 21.81,44.58 21.78,44.6 18,44.6 17.97,44.63 17.97,45.62
GND on TOP: 6.88,1.02 2.73,2.73 1.02,6.88 1.02,42.19 2.07,45.88 4.93,48.46 9.92,56.47 4.93,64.47 2.07,67.05 1.02,70.74 1.02,163.92 2.21,166.79 5.08,167.98 58.42,167.98 61.29,166.79 62.48,163.92 62.48,70.74 61.43,67.05 58.57,64.47 53.58,56.47 58.57,48.46 61.43,45.88 62.48,42.19 62.48,6.18 62.07,3.99 60.87,2.11 59.76,1.31 58.43,1.02 29.62,1.02 29.62,4.06 26.8,4.06 26.8,1.02 ; 24 cut-outs
GND on TOP: 38.18,130.14 38.23,130.19 38.23,133.11 37.99,133.35 31.39,133.35 31.18,133.13 31.18,130.27 31.31,130.14
